# KiCad board proteus.kicad_pcb (continued)
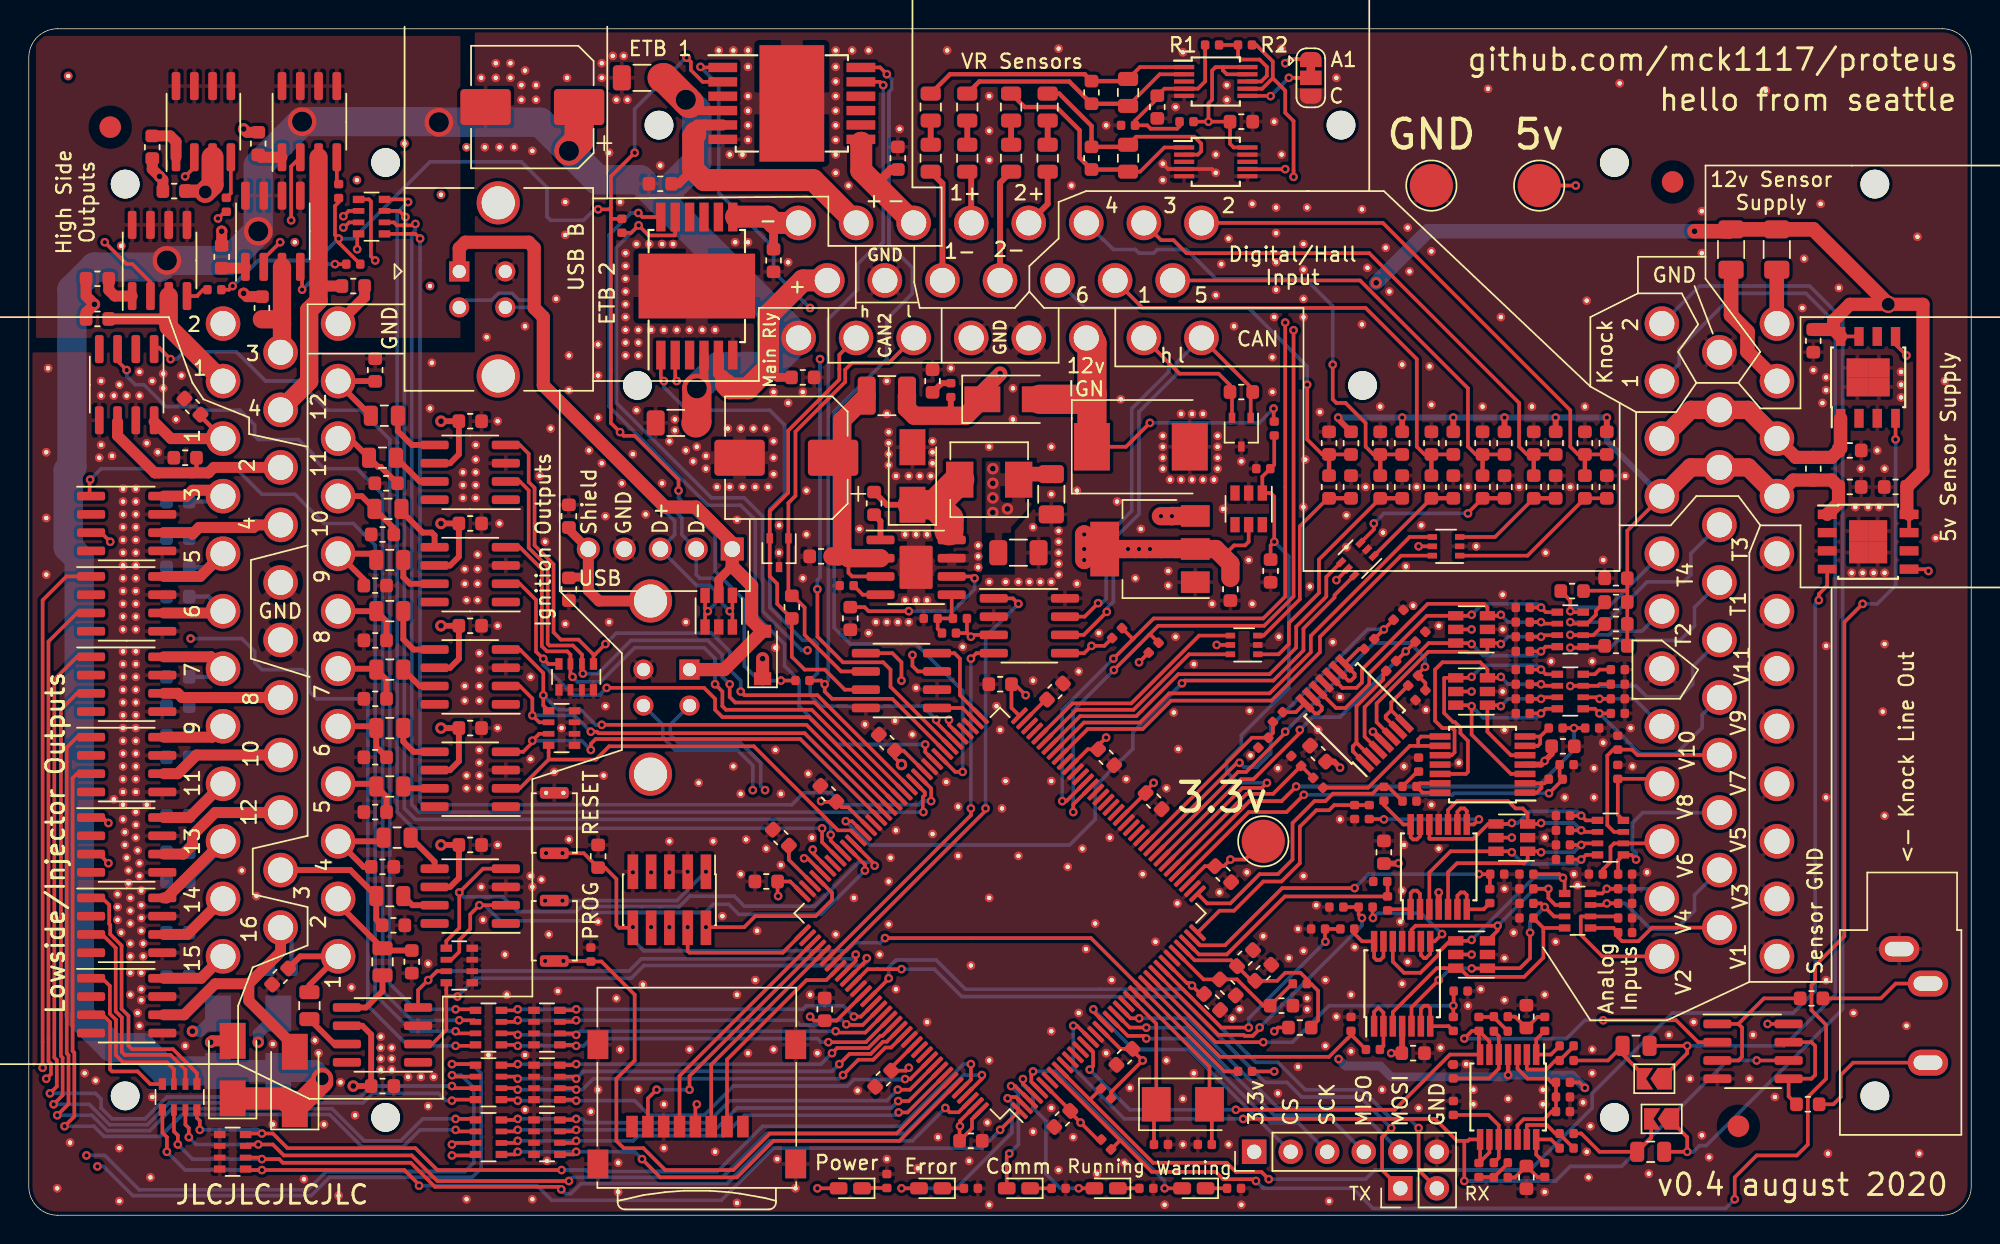
[diagram p0: board, top side]
## Nets (continued)
/mcu/CAN2_TX: U6.1 U1501.74
/mcu/CAN_RX: U904.4 U1501.114
/mcu/CAN_TX: U904.1 U1501.115
/mcu/DIGITAL1: U1202.6 U1501.96
/mcu/DIGITAL2: U1207.6 U1501.64
/mcu/DIGITAL3: U1207.4 U1501.65
/mcu/DIGITAL4: U1208.6 U1501.67
/mcu/DIGITAL5: U1202.4 U1501.66
/mcu/DIGITAL6: U1208.4 U1501.68
/mcu/ETB1_PWM: U1201.12 U1501.81
/mcu/ETB2_PWM: U1501.82 U1601.12
/mcu/HS1: RN1301.4 U1501.101
/mcu/HS2: RN1301.3 U1501.100
/mcu/HS3: RN1301.2 U1501.86
/mcu/HS4: RN1301.1 U1501.85
/mcu/IGN1: RN1601.8 U1501.118 U1602.2
/mcu/IGN2: RN1601.7 U1501.117 U1602.4
/mcu/IGN3: RN1601.6 U1501.99 U1603.2
/mcu/IGN4: RN1601.5 U1501.98 U1603.4
/mcu/IGN5: RN1701.8 U1501.97 U1701.2
/mcu/IGN6: RN1701.7 U1501.93 U1701.4
/mcu/IGN7: RN1701.6 U1501.92 U1702.2
/mcu/IGN8: RN1701.5 U1501.91 U1702.4
/mcu/IGN9: RN1801.8 U1501.90 U1801.2
/mcu/IGN10: RN1801.7 U1501.89 U1801.4
/mcu/IGN11: RN1801.6 U1501.88 U1802.2
/mcu/IGN12: RN1801.5 U1501.87 U1802.4
/mcu/LED1: D1504.2 U1501.2
/mcu/LED2: D1505.2 U1501.3
/mcu/LED3: D1506.2 U1501.4
/mcu/LED4: D1507.2 U1501.5
/mcu/nRESET: C1517.2 J1502.10 R1502.1 SW1501.1 U1501.25
/mcu/SD_CS: J1.2 U1501.116
/mcu/SD_MISO: J1.7 U1501.112
/mcu/SD_MOSI: J1.3 U1501.113
/mcu/SD_SCK: J1.5 U1501.111
/mcu/SWCLK: J1502.4 U1501.109
/mcu/SWDIO: J1502.2 U1501.105
/mcu/UART_RX: J2.2 U1501.122
/mcu/UART_TX: J2.1 U1501.119
/quad_analog3/IN4: R904.1 RN901.4
/quad_analog3/OUT4: R20.1 R24.2
/triggers/VR1_OUT: R1215.2 R1220.1 U1203.7 U1501.58
/triggers/VR2_OUT: R1216.2 U1204.7 U1501.59
/USB_D+: J1501.3 J1503.3 J1504.3 U1501.104 U1502.1 U1502.6
/USB_D-: J1501.2 J1503.2 J1504.2 U1501.103 U1502.3 U1502.4
/USB_SHIELD: C1516.1 J1501.5 J1503.5 J1504.5 R1501.1
/VR1+: J101.5 R1205.2
/VR1-: J101.13 R1208.2
/VR2+: J101.4 R1210.2
/VR2-: J101.12 R1213.2
Net-(C1-Pad1): C1.1 RN701.8 U1.6 U701.3
Net-(C2-Pad1): C2.1 RN701.7 U1.1 U701.5
Net-(C3-Pad1): C3.1 RN701.6 U1.3 U701.10
Net-(C4-Pad1): C4.1 RN701.5 U1.4 U701.12
Net-(C5-Pad1): C5.1 RN801.8 U2.6 U801.3
Net-(C6-Pad1): C6.1 RN801.7 U2.1 U801.5
Net-(C7-Pad1): C7.1 RN801.6 U2.3 U801.10
Net-(C8-Pad1): C8.1 RN801.5 U2.4 U801.12
Net-(C9-Pad1): C9.1 RN901.8 U3.6 U901.3
Net-(C10-Pad1): C10.1 RN901.7 U3.1 U901.5
Net-(C11-Pad1): C11.1 RN901.6 U3.3 U901.10
Net-(C12-Pad1): C12.1 RN901.5 U3.4 U901.12
Net-(C13-Pad1): C13.1 RN1101.8 U4.6 U1101.3
Net-(C14-Pad1): C14.1 RN1101.7 U4.1 U1101.5
Net-(C15-Pad1): C15.1 RN1101.6 U4.3 U1101.10
Net-(C16-Pad1): C16.1 RN1101.5 U4.4 U1101.12
Net-(C18-Pad1): C18.1 J3.R
Net-(C18-Pad2): C18.2 U7.5 U7.7
Net-(C19-Pad1): C19.1 J3.T
Net-(C19-Pad2): C19.2 U7.1 U7.3
Net-(C21-Pad2): C21.2 R42.1 R44.2
Net-(C22-Pad2): C22.2 R43.1 R45.2
Net-(C23-Pad1): C23.1 R44.1 R46.2
Net-(C24-Pad1): C24.1 R45.1 R47.2
Net-(C25-Pad2): C25.2 R46.1 U5.5
Net-(C26-Pad2): C26.2 R47.1 U5.10
Net-(C902-Pad1): C902.1 U903.6
Net-(C904-Pad1): C904.1 U903.1
Net-(C904-Pad2): C904.2 D901.1 L1001.1 U903.8
Net-(C905-Pad2): C905.2 R907.1 R908.1 U903.5
Net-(C1001-Pad1): C1001.1 C1002.1 L1002.2 U903.2 U903.3
Net-(C1006-Pad1): C1006.1 R906.2
Net-(C1205-Pad1): C1205.1 R1202.1 U1202.3
Net-(C1208-Pad1): C1208.1 R1204.1 U1208.3
Net-(C1209-Pad1): C1209.1 R1206.1 R1207.2 U1203.2
Net-(C1209-Pad2): C1209.2 R1207.1 R1209.1 U1203.1
Net-(C1210-Pad1): C1210.1 R1211.1 R1212.2 U1204.2
Net-(C1210-Pad2): C1210.2 R1212.1 R1214.1 U1204.1
Net-(C1212-Pad1): C1212.1 R1217.2 R1218.2 R1219.2 U1203.4
Net-(C1402-Pad1): C1402.1 R1402.1 U1202.1
Net-(C1404-Pad1): C1404.1 R1404.1 U1207.1
Net-(C1406-Pad1): C1406.1 R1406.1 U1207.3
Net-(C1408-Pad1): C1408.1 R1408.1 U1208.1
Net-(C1518-Pad1): C1518.1 U1501.71
Net-(C1519-Pad1): C1519.1 U1501.106
Net-(C1520-Pad1): C27.1 C1520.1 R48.1 U1501.32
Net-(C1521-Pad1): C1521.1 U1501.23 Y1501.1
Net-(C1522-Pad1): C1522.1 U1501.24 Y1501.2
Net-(C1901-Pad1): C1901.1 JP1.2 R1901.2
Net-(C1902-Pad1): C1902.1 JP2.2 R1902.2
Net-(D1501-Pad3): D1501.3
Net-(D1501-Pad4): D1501.4
Net-(D1501-Pad6): D1501.6
Net-(D1502-Pad1): D1502.1 R1508.2
Net-(D1503-Pad2): D1503.2 J1501.1 J1503.1 J1504.1 U1502.5
Net-(D1504-Pad1): D1504.1 R1509.2
Net-(D1505-Pad1): D1505.1 R1510.2
Net-(D1506-Pad1): D1506.1 R1511.2
Net-(D1507-Pad1): D1507.1 R1512.2
Net-(F101-Pad1): F101.1 J103.11
Net-(F102-Pad2): F102.2 J103.12
Net-(J1-Pad1): J1.1
Net-(J1-Pad8): J1.8
Net-(J1502-Pad6): J1502.6
Net-(J1502-Pad7): J1502.7
Net-(J1502-Pad8): J1502.8
Net-(JP1201-Pad2): JP1201.2 U1203.6
Net-(R1-Pad2): R1.2 U701.1 U701.2
Net-(R2-Pad2): R2.2 U701.6 U701.7
Net-(R3-Pad2): R3.2 U701.8 U701.9
Net-(R4-Pad2): R4.2 U701.13 U701.14
Net-(R9-Pad2): R9.2 U801.1 U801.2
Net-(R10-Pad2): R10.2 U801.6 U801.7
Net-(R11-Pad2): R11.2 U801.8 U801.9
Net-(R12-Pad2): R12.2 U801.13 U801.14
Net-(R17-Pad2): R17.2 U901.1 U901.2
Net-(R18-Pad2): R18.2 U901.6 U901.7
Net-(R19-Pad2): R19.2 U901.8 U901.9
Net-(R20-Pad2): R20.2 U901.13 U901.14
Net-(R25-Pad2): R25.2 U1101.1 U1101.2
Net-(R26-Pad2): R26.2 U1101.6 U1101.7
Net-(R27-Pad2): R27.2 U1101.8 U1101.9
Net-(R28-Pad2): R28.2 U1101.13 U1101.14
Net-(R905-Pad1): R905.1 U903.4
Net-(R1105-Pad1): R1105.1 U1102.4
Net-(R1106-Pad1): R1106.1 U1102.1
Net-(R1107-Pad1): R1107.1 U1103.4
Net-(R1108-Pad1): R1108.1 U1103.1
Net-(R1109-Pad1): R1109.1 U1104.4
Net-(R1110-Pad1): R1110.1 U1104.1
Net-(R1111-Pad1): R1111.1 U1105.4
Net-(R1112-Pad1): R1112.1 U1105.1
Net-(R1205-Pad1): R1205.1 R1206.2
Net-(R1208-Pad1): R1208.1 R1209.2
Net-(R1210-Pad1): R1210.1 R1211.2
Net-(R1213-Pad1): R1213.1 R1214.2
Net-(R1219-Pad1): R1219.1 R1220.2 U1203.8
Net-(R1601-Pad2): R1601.2 U1602.7
Net-(R1602-Pad2): R1602.2 U1602.5
Net-(R1603-Pad2): R1603.2 U1603.7
Net-(R1604-Pad2): R1604.2 U1603.5
Net-(R1701-Pad2): R1701.2 U1701.7
Net-(R1702-Pad2): R1702.2 U1701.5
Net-(R1703-Pad2): R1703.2 U1702.7
Net-(R1704-Pad2): R1704.2 U1702.5
Net-(R1801-Pad2): R1801.2 U1801.7
Net-(R1802-Pad2): R1802.2 U1801.5
Net-(R1803-Pad2): R1803.2 U1802.7
Net-(R1804-Pad2): R1804.2 U1802.5
Net-(R1901-Pad1): R1901.1 R1903.2 U5.2
Net-(R1902-Pad1): R1902.1 R1904.2 U5.13
Net-(R1903-Pad1): R42.2 R1903.1 U5.1
Net-(R1904-Pad1): R43.2 R1904.1 U5.14
Net-(RN201-Pad5): RN201.5 U201.1
Net-(RN201-Pad6): RN201.6 U201.3
Net-(RN201-Pad7): RN201.7 U202.1
Net-(RN201-Pad8): RN201.8 U202.3
Net-(RN301-Pad5): RN301.5 U301.1
Net-(RN301-Pad6): RN301.6 U301.3
Net-(RN301-Pad7): RN301.7 U302.1
Net-(RN301-Pad8): RN301.8 U302.3
Net-(RN401-Pad5): RN401.5 U401.1
Net-(RN401-Pad6): RN401.6 U401.3
Net-(RN401-Pad7): RN401.7 U402.1
Net-(RN401-Pad8): RN401.8 U402.3
Net-(RN501-Pad5): RN501.5 U501.1
Net-(RN501-Pad6): RN501.6 U501.3
Net-(RN501-Pad7): RN501.7 U502.1
Net-(RN501-Pad8): RN501.8 U502.3
Net-(RN1301-Pad5): RN1301.5 U1102.2
Net-(RN1301-Pad6): RN1301.6 U1103.2
Net-(RN1301-Pad7): RN1301.7 U1104.2
Net-(RN1301-Pad8): RN1301.8 U1105.2
Net-(U201-Pad2): U201.2
Net-(U201-Pad4): U201.4
Net-(U202-Pad2): U202.2
Net-(U202-Pad4): U202.4
Net-(U301-Pad2): U301.2
Net-(U301-Pad4): U301.4
Net-(U302-Pad2): U302.2
Net-(U302-Pad4): U302.4
Net-(U401-Pad2): U401.2
Net-(U401-Pad4): U401.4
Net-(U402-Pad2): U402.2
Net-(U402-Pad4): U402.4
Net-(U501-Pad2): U501.2
Net-(U501-Pad4): U501.4
Net-(U502-Pad2): U502.2
Net-(U502-Pad4): U502.4
Net-(U1004-Pad2): U1004.2
Net-(U1004-Pad6): U1004.6
Net-(U1005-Pad2): U1005.2
Net-(U1005-Pad6): U1005.6
Net-(U1201-Pad3): U1201.3
Net-(U1201-Pad8): U1201.8
Net-(U1201-Pad9): U1201.9
Net-(U1201-Pad10): U1201.10
Net-(U1203-Pad3): U1203.3
Net-(U1204-Pad3): U1204.3
Net-(U1204-Pad8): U1204.8
Net-(U1501-Pad7): U1501.7
Net-(U1501-Pad10): U1501.10
Net-(U1501-Pad11): U1501.11
Net-(U1501-Pad12): U1501.12
Net-(U1501-Pad13): U1501.13
Net-(U1501-Pad22): U1501.22
Net-(U1501-Pad49): U1501.49
Net-(U1501-Pad50): U1501.50
Net-(U1501-Pad53): U1501.53
Net-(U1501-Pad54): U1501.54
Net-(U1501-Pad55): U1501.55
Net-(U1501-Pad56): U1501.56
Net-(U1501-Pad57): U1501.57
Net-(U1501-Pad60): U1501.60
Net-(U1501-Pad63): U1501.63
Net-(U1501-Pad69): U1501.69
Net-(U1501-Pad70): U1501.70
Net-(U1501-Pad75): U1501.75
Net-(U1501-Pad76): U1501.76
Net-(U1501-Pad102): U1501.102
Net-(U1501-Pad110): U1501.110
Net-(U1501-Pad132): U1501.132
Net-(U1501-Pad133): U1501.133
Net-(U1601-Pad3): U1601.3
Net-(U1601-Pad8): U1601.8
Net-(U1601-Pad9): U1601.9
Net-(U1601-Pad10): U1601.10
Net-(U1602-Pad1): U1602.1
Net-(U1602-Pad8): U1602.8
Net-(U1603-Pad1): U1603.1
Net-(U1603-Pad8): U1603.8
Net-(U1701-Pad1): U1701.1
Net-(U1701-Pad8): U1701.8
Net-(U1702-Pad1): U1702.1
Net-(U1702-Pad8): U1702.8
Net-(U1801-Pad1): U1801.1
Net-(U1801-Pad8): U1801.8
Net-(U1802-Pad1): U1802.1
Net-(U1802-Pad8): U1802.8

## Via types
v1: diameter 0.8, hole 0.4, Top to Bottom, 24 vias
v2: diameter 0.599, hole 0.3, Top to Bottom, 275 vias
v3: diameter 0.6, hole 0.3, Top to Bottom, 75 vias
v4: diameter 2, hole 1.4, Top to Bottom, 7 vias
v5: diameter 1.2, hole 0.9, Top to Bottom, 3 vias

## Routing (per net, layer and track width the routed paths; a pad name or vN(x,y) marks a point on that pad's centre or on a via; arc(x,y) is an arc through that point)
+3V3: length 239
  Top w0.254: v3(55.06,28.8) 55.11,28.75 C1508.2 56.51,28.37 56.95,28.37 U1501.95 ; R1301.2 40.48,69.29 40.46,69.31 ; U6.5 60.02,39.08 60.65,38.45 v2(60.65,37.18) ; U1501.108 52.92,23.21 C1513.2 52.04,22.23 v2(52.08,22.19) ; v2(46.43,7.71) 46.33,7.61 J1.4 ; U1501.144 65.56,6.68 65.56,6.04 C1511.2 64.69,6.16 v2(64.72,6.19) 64.72,6.55 U1501.143 ; D1501.5 84.78,46.83 84.53,46.58 83.77,46.58 83,45.81 82.5,46.32 ; 74.53,5.21 R1007.2 74.28,5.26 v3(73.1,6.44) 72.38,7.16 C1514.2 72.38,7.28 U1501.6 ; v2(69.29,36.16) 68.53,36.92 C1503.2 68.3,35.28 U1501.72 ; v2(45.16,50.39) 45.16,51.15 42.11,54.2 41.35,54.2 v2(41.09,54.45) 40.46,55.09 40.46,69.31 ; v2(35.89,21.87) 35.89,21.88 SW1502.2 37.09,21.88 v2(37.09,21.87) ; U1501.30 80.49,16.14 80.67,16.14 v3(80.84,15.97) 81.43,15.38 C1505.2 ; 61.51,11.87 U1501.131 59.94,10.26 C1512.2 60.95,10.05 v2(61.16,10.25) ; U1201.2 46.83,78.81 46.02,79.63 46.02,80.19 v3(45.72,80.49) ; U1501.17 75.87,11.57 C1515.2 76.7,11.48 v3(77.42,10.76) 75.22,8.56 R1006.2 ; 40.46,69.31 40.46,70.07 ; v2(13.15,69.31) 13.62,69.78 R1107.2 ; U1501.39 81.73,24.27 C1506.2 83.05,24.27 v3(83.51,24.73) 84.53,24.73 J108.1 ; FB1501.1 86.81,13.05 v3(86.56,12.79) ; U1501.84 60.79,32.3 C1507.2 60.19,31.8 v1(60.65,31.34) ; R40.2 107.77,9.24 v3(108.15,8.86) ; v2(54.3,13.81) 54.58,13.53 C1510.2 56.14,13.53 U1501.121 ; R1111.2 21.54,70.43 21.28,70.18 21.28,68.17 v3(21.54,67.91) 21.54,67.63 R1109.2 ; v3(45.03,58.01) 44.93,58.11 U1601.2 ; R1105.2 13.92,64.36 v3(14.17,64.61) ; 40.46,70.07 40.33,69.94 v3(39.57,69.94) ; 40.46,70.07 40.46,72.23 v3(42.11,73.88) ; R1001.2 v2(52.27,37.18) ; D1502.2 v2(54.81,1.87) ; R1502.2 v3(86.56,10) ; U1501.52 77.62,29.35 C1509.2 77.62,29.51 v3(78.18,30.07) ; 47.06,23.84 v2(47.06,23.89) ; R1215.1 v2(77.16,38.45) ; U1501.62 73.6,32.4 C1504.2 74.32,32.66 v3(74.88,33.22) ; R1216.1 74.75,39.59 v3(73.86,39.59) 73.35,39.08 U904.5
  Top w0.305: U5.4 v3(102.82,9.75) ; 108.05,8.75 v3(108.15,8.86)
  Top w1.27: C903.1 83.51,45.31 82.5,46.32 U902.2 U902.2 74.37,46.32 v2(73.35,47.34) v2(73.35,46.32) v2(73.35,45.56)
  In2.Cu w0.254: v2(13.15,69.31) 13.15,69.65 13.68,70.18 19.27,70.18 v3(21.54,67.91) ; v2(41.09,54.45) 42.87,54.45 45.03,56.61 v3(45.03,58.01)
  Bottom w0.254: v2(37.09,21.87) 45.05,21.87 v2(47.06,23.89) ; v3(45.72,80.49) 45.67,80.49 42.11,76.93 v3(42.11,73.88) ; v3(14.17,64.61) 15.95,66.39 20.01,66.39 v3(21.54,67.91) 22.55,67.91 27.89,73.25 34.24,73.25 36.01,71.47 36.01,69.44 36.27,69.18 38.55,69.18 39.32,69.94 v3(39.57,69.94) ; v2(52.27,37.18) 50.75,37.18 49.73,38.19 49.73,42.77 47.7,44.8 47.7,47.34 45.16,49.88 v2(45.16,50.39)
  Bottom w0.61: v3(108.15,8.86) 107.26,9.75 v3(102.82,9.75) 102.69,9.62 94.69,9.62 93.93,10.38 91.52,10.38 v3(91.03,10.86)
  vias: v2(76.4,46.32) v2(77.16,46.32) v2(77.92,46.32)
+5V: length 86.7
  Top w0.254: U4.5 v2(100.28,40.73) ; JP1201.1 87.61,80.39 v2(87.32,80.1) ; C905.1 65.18,40.48 65.2,40.5 ; U3.5 v2(100.28,36.42) ; 82.99,79.83 82.48,79.83 82.24,79.6 82.24,77.56 81.99,77.31 v2(81.99,76.04) ; 82.99,79.83 82.99,79.61 83.26,79.34 ; 82.99,79.83 U1203.10 ; v3(130.5,59.78) 129.74,60.55 U1005.5 ; U904.3 65.61,40.35 v2(65.48,40.23) 65.2,40.5 ; U1004.5 131.9,44.92 v3(132.03,44.8) ; U1207.5 v2(96.59,46.51) ; U2.5 v2(103.07,26.26) ; 65.2,40.5 R908.2 ; R1217.1 v2(81.99,76.04) ; v2(81.99,76.04) C1211.1 83.49,74.5 83.74,74.25 U1204.10 ; U1202.5 v2(90.88,44.16) ; J107.1 v2(107.52,71.59) ; v2(61.41,38.96) 61.41,38.19 61.8,37.81 63.13,37.81 ; U1.5 v2(100.28,18.13) ; U1203.9 83.27,79.33 ; U1208.5 v2(82.56,39.65) ; U7.8 v2(120.85,13.3)
  Top w0.406: 28.2,45.18 29.28,45.18 29.89,45.79 C1801.2 v1(28.65,48.1) ; U701.4 95.45,11.3 C701.1 v2(94.69,11.27) ; U801.4 v2(97.99,22.45) ; U1603.6 29.28,22.83 29.89,23.44 C1607.2 v1(28.65,25.75) ; v1(28.65,33.88) C1701.2 29.89,31.57 29.28,30.95 U1701.6 ; C801.1 95.17,24.45 v2(95.2,24.48) ; U1802.6 29.28,52.29 29.89,52.9 C1804.2 v1(28.65,55.21) ; v1(28.65,40.99) C1704.2 29.89,38.68 29.28,38.07 U1702.6 ; C901.1 105.84,32.07 v2(105.36,31.59) 105.1,31.34 U901.4 ; U1602.6 23.18,13.18 23.8,12.56 C1604.2 v1(22.55,8.98) ; v2(91.13,31.12) 90.72,31.54 C1101.1 ; U1101.4 v2(93.42,33.62)
  Top w0.914: D1503.1 v1(51,38.7)
  Top w1.016: C906.1 69.18,51.53 L1001.2
  Top w1.27: v2(78.69,48.61) v2(79.45,48.61) 79.46,48.62 U902.3
  vias: v1(67,51.91) v1(67,50.89) v1(67,49.88) v1(67,48.86) v1(68.02,49.12)
/5V_SENSOR_1: length 63.3
  Top w0.254: 111.1,43.43 R1103.1 R1102.1 R1101.1 ; 111.1,43.43 108.07,43.43 R1104.1 ; 111.1,43.43 C1409.2 111.1,47.6 J103.32
  Top w0.406: R1403.1 v2(109.67,55.47) ; R1201.1 v2(102.56,55.47) ; R1401.1 v2(99.01,55.47) ; v3(91,55.47) 91,55.36 R1203.1 ; R1407.1 v2(95.45,55.47) ; R1405.1 v2(106.12,55.47)
  Top w0.914: U1004.1 125.78,49.52 C1016.1 125.29,51.12 R1005.2 122.62,51.12 J103.9
  Top w1.27: J103.32 115.5,52 J103.21 119.5,52 J103.9
  Bottom w0.406: J103.32 109.67,53.83 v2(109.67,55.47) v2(106.12,55.47) v2(102.56,55.47) v2(99.01,55.47) v2(95.45,55.47) v3(91,55.47)
/5V_SENSOR_2: length 17
  Top w0.914: U1005.1 125.93,53.33 C1018.1 125.29,52.7 R1005.1 122.8,52.7 J103.10
  Top w1.27: J103.10 119.5,56 J103.22 115.5,56 J103.33
/12V_MR: length 171.4
  Top w0.406: 53.42,61.08 J101.23
  Top w0.61: U1601.4 46.93,58 v4(46.43,57.5) ; U1201.4 46.69,76.81
  Top w1.524: v5(20.39,9.49) 20.39,9.27 D102.1 ; D104.1 17.73,8.13 D102.1 ; D102.1 18.49,7.58
  Top w2.032: v4(46.43,57.5) 46.43,55.15 C1601.2 ; v4(37.54,74.01) 38.25,74.72 C17.1 ; C1201.2 44.14,79.09 v4(45.67,77.56) 45.92,77.31
  Bottom w1.524: D103.1 D101.1 19.85,10.03 v5(20.39,9.49)
  Bottom w2.032: 2.74,51.78 2.74,46.45 3.5,45.69 3.5,13.94 5.79,11.65 7.82,11.65 9.44,10.03 D103.1 ; 2.74,51.78 2.99,52.04 ; 2.74,51.78 2.99,52.04 ; 43.84,70.66 42.5,72 39.5,72 39.5,72.05 v4(37.54,74.01) 35.55,76 v4(28.5,76) 28.46,76.04 v4(19,76.04) 15.95,72.99 v4(15.95,68.42) 13.92,66.39 v4(9.6,66.39) 9.15,65.94 4.57,65.94 2.99,64.36 2.99,52.04 ; 43.84,70.66 J101.23 51.52,59.02 47.95,59.02 v4(46.43,57.5) ; 43.84,70.66 46.43,73.25 46.43,76.8 v4(45.67,77.56)
/12V_PROT: length 105.6
  Top w0.254: U1004.7 U1004.8 ; U1005.7 U1005.8
  Top w0.406: R906.1 64.08,55.72 63.95,55.59
  Top w0.914: U1004.8 130.53,48.89 C1015.1 131.65,51.76 131.65,63.34 v5(129.23,63.34) 126.56,63.34 125.45,62.22 125.45,61.59 ; 125.45,61.59 U1005.8 ; 125.45,61.59 C1017.1
  Top w1.016: v1(115.77,68.42) 118.18,68.42 F101.2 F102.1 124.02,68.55 v5(129.23,63.34) ; v1(67.51,58.51) 66.12,57.13 66.12,56.74
  Top w1.27: D903.1 65.13,55.59 61.54,55.59 61.03,56.1 61.03,56.99 L1002.1
  In2.Cu w1.016: v1(67.51,58.51) 87.32,58.51 v1(93.64,64.84)
  Bottom w1.016: v1(115.77,68.42) 97.23,68.42 v1(93.64,64.84)
/12V_RAW: length 26.5
  Top w0.254: v3(86.52,56.09) 86.52,55.23 R1503.1 ; v3(77.92,55.09) 76.26,53.43 D1001.1
  Top w1.524: D903.2 70.59,56.74
  Top w2.032: 73.89,57.15 73.89,60.61 J101.18 ; 73.89,57.15 73.89,57.07 73.55,56.74 D903.2 ; 73.89,57.15 D1001.1
  Bottom w0.254: v3(77.92,55.09) 85.52,55.09 v3(86.52,56.09)
/AV1: length 9.9
  Top w0.254: RN701.1 110.14,19.98 R701.1 110.46,19.33 110.74,19.05 111.87,19.05 112.82,20 J103.13
/AV2: length 10.2
  Top w0.254: R702.1 110.35,20.78 RN701.2 107.89,20.78 107.86,20.75 107.86,19.5 109.37,18 J103.24
/AV3: length 12.9
  Top w0.254: R703.1 v2(109.67,21.68) 109.57,21.58 RN701.3
  Bottom w0.254: v2(109.67,21.68) 110.94,21.68 112.72,19.91 114.5,19.91 115.77,21.18 115.77,22.27 J103.14
/AV4: length 6.2
  Top w0.254: R704.1 v2(109.67,22.7) 109.35,22.38 RN701.4
  Bottom w0.254: J103.25 112.8,22.7 v2(109.67,22.7)
/AV5: length 11.5
  Top w0.254: R801.1 110.46,24.69 RN801.1 111.38,25.06 v2(111.71,24.73)
  Bottom w0.254: v2(111.71,24.73) 111.71,25.16 111.45,25.41 111.45,27.27 112.18,28 J103.15
/AV6: length 5.8
  Top w0.254: R802.1 109.4,24.04 109.93,24.57 109.93,25.61 110.17,25.86 RN801.2 113.36,25.86 J103.26
/AV7: length 14.3
  Top w0.254: RN801.3 110.17,26.66 109.71,27.12 109.71,31.97 110.12,32.38 R803.1 111.43,32.38 111.8,32 J103.16
/AV8: length 6.3
  Top w0.254: RN801.4 110.44,27.85 R804.1 113.16,30.34 J103.27
/AV9: length 13.7
  Top w0.254: R901.1 v2(109.17,34.89) 108.84,35.22 RN901.1
  Bottom w0.254: v2(109.17,34.89) 111.96,32.1 114.5,32.1 116.3,33.9 116.3,34.8 J103.17
/AV10: length 7.1
  Top w0.254: R902.1 v2(109.17,35.91) 109.06,36.02 RN901.2
  Bottom w0.254: J103.28 111.59,35.91 v2(109.17,35.91)
/AV11: length 16.1
  Top w0.254: R903.1 109.17,36.92 109.06,36.82 RN901.3 107.15,36.82 v2(107.13,36.8)
  Bottom w0.254: J103.18 115.64,38.14 115.64,36.92 114.75,36.03 112.47,36.03 111.71,36.8 v2(107.13,36.8) 107.26,36.92
/mcu/5V_SENSOR_1_PG: length 92.4
  Top w0.254: v2(124.41,42.77) 124.41,43.19 124.99,43.77 U1004.4 ; U1501.9 73.71,8.07 ; 73.71,8.07 73.79,8.07 R1006.1 ; 73.71,8.07 78.13,3.65 83.26,3.65 83.89,3.01 85.67,3.01 v2(86.18,2.51)
  Bottom w0.254: v2(124.41,42.77) 124.15,42.51 124.15,15.59 122.63,14.06 114.25,14.06 108.66,8.48 108.66,7.46 104.34,3.14 93.55,3.14 92.91,2.51 v2(86.18,2.51)
/mcu/5V_SENSOR_2_PG: length 114.3
  Top w0.254: v2(118.56,1.11) 118.56,2.63 120.09,4.16 122.88,4.16 123.64,4.92 123.64,8.22 124.91,9.49 124.91,13.24 123.9,14.25 123.9,16 124.15,16.25 124.15,17.37 126.18,19.4 126.18,41.24 v3(127.45,42.51) ; U1501.8 71.33,9.74 75.89,5.17 ; v2(85.29,2.38) 85.16,2.51 83,2.51 82.5,3.01 78.05,3.01 75.89,5.17 ; R1007.1 75.82,5.17 75.89,5.17 ; U1005.4 v3(129.74,53.94)
  Bottom w0.254: v3(129.74,53.94) 129.74,43.78 128.47,42.51 v3(127.45,42.51) ; v2(85.29,2.38) 85.8,1.87 92.02,1.87 93.42,0.47 117.93,0.47 v2(118.56,1.11)
/mcu/12V_DIVIDED: length 40.3
  Top w0.254: v2(86.05,30.07) 85.7,29.71 84.34,29.71 U1501.43 ; R1503.2 86.56,52.19 R1504.1 85.73,51.36 D1501.1 86.31,50.22 86.56,49.97 v2(86.56,46.83) 86.31,46.58 C1523.1
  Bottom w0.254: v2(86.05,30.07) 84.02,30.07 83.26,30.83 83.26,31.59 84.27,32.61 84.27,33.37 87.58,36.67 87.58,45.81 v2(86.56,46.83)
/mcu/AV1: length 19
  Top w0.254: U1501.26 82.79,11.02 90.37,11.02 91.64,12.29 91.66,12.29 91.89,12.52 R5.2 91.89,12.56 R1.1
/mcu/AV2: length 25.7
  Top w0.254: v2(85.8,12.03) 82.48,12.03 U1501.27 ; R6.2 99.03,14.59 v2(99.01,14.57) R2.1
  Bottom w0.254: v2(85.8,12.03) 87.83,12.03 90.37,14.57 v2(99.01,14.57)
/mcu/AV3: length 21.7
  Top w0.254: v2(85.54,13.05) 85.54,12.95 85.06,12.47 84.5,12.47 84.43,12.54 82.68,12.54 U1501.28 ; R7.2 R3.1 92.42,20.9 v2(92.66,20.67)
  Bottom w0.254: v2(92.66,20.67) 92.66,20.16 v2(85.54,13.05)
/mcu/AV4: length 17.9
  Top w0.254: U1501.29 82.88,13.05 v2(84.78,13.05) ; R4.1 R8.2 ; R8.2 90.09,19.93 ; R8.2 90.09,19.04 v3(90.12,19.02)
  Bottom w0.254: v2(84.78,13.05) 84.78,13.68 v3(90.12,19.02)
/mcu/AV5: length 17
  Top w0.254: U1501.34 81.33,18.13 83.26,18.13 87.3,22.17 R9.1 94.43,23.19 R13.2
/mcu/AV6: length 24
  Top w0.254: v2(100.78,23.72) R14.2 101.55,23.69 R10.1 ; U1501.35 81.4,18.77 83.14,18.77 87.12,22.75 v2(92.15,22.75)
  Bottom w0.254: v2(92.15,22.75) 93.12,23.72 v2(100.78,23.72)
/mcu/AV7: length 17.1
  Top w0.254: R11.1 R15.2 90.73,28.52 90.37,28.16 89.48,28.16 88.34,27.02 88.34,24.48 87.07,23.21 85.8,23.21 83.77,21.18 82.76,21.18 U1501.36
/mcu/AV8: length 19.8
  Top w0.254: U1501.37 81.9,21.68 83.51,21.68 85.54,23.72 86.81,23.72 87.83,24.73 87.83,27.27 89.35,28.8 90.12,28.8 90.64,29.32 93.39,29.32 93.86,29.79 R12.1 94.48,29.79 R16.2
/mcu/AV9: length 30.4
  Top w0.254: R21.2 106.39,30.53 R17.1 106.6,30.29 v2(105.66,29.34) ; U1501.40 84.79,28.03 87.42,28.03 v2(88.62,29.23)
  Bottom w0.254: v2(88.62,29.23) 98.93,29.23 99.04,29.34 v2(105.66,29.34)
/mcu/AV10: length 34.2
  Top w0.254: R22.2 v2(107.39,33.88) R18.1 ; v2(88.08,29.81) 87.07,28.8 84.84,28.8 U1501.41
  Bottom w0.254: v2(88.08,29.81) 104.85,29.81 107.39,32.35 v2(107.39,33.88)
/mcu/AV11: length 13.1
  Top w0.254: R19.1 R23.2 86.48,29.3 84.64,29.3 U1501.42
/mcu/VDDA: length 14.4
  Top w0.254: U1501.33 81.03,17.73 83.56,17.73 C1501.1 84.99,16.3 C1502.1 86.77,16.3 87.32,16.86 88.38,16.86 88.82,16.42 R48.2 89.12,16.1 89.61,15.61 89.61,13.56 89.1,13.05 FB1501.2
  Top w0.406: 84.18,17.11 C1501.1
GND: length 16.9
  Top w0.254: J1502.5 v2(44.52,23.84) ; J1502.9 v2(41.98,23.84) ; 45.79,23.84 v2(45.79,23.89) ; NOREF#364.1 79.19,72.75 U1204.4 82.23,72.75 NOREF#589.1
  Top w0.61: C25.1 98.91,10.48
  Top w0.762: R1108.2 8.58,72.74 v1(9.09,72.23) 9.32,72 C1302.2 ; C1301.2 3.98,62.76 v1(4.56,63.34) 3.98,63.92 R1106.2 ; R1110.2 v1(13.41,68.42) ; R1112.2 15.16,75.3 v1(14.93,75.53) ; v1(14.93,64.1) 15.16,63.87 C1303.2 ; J102.24 23.34,63.84 C1304.2
/AT1: length 15.4
  Top w0.254: R1101.2 109.46,39.53 RN1101.1 107.96,39.46 v2(107.13,39.46)
  Bottom w0.254: v2(107.13,39.46) 109.93,39.46 110.44,39.97 114.75,39.97 115.77,40.99 115.77,42.27 J103.19
/AT2: length 9.8
  Top w0.254: R1102.2 108.74,40.33 RN1101.2 107.15,40.33 v2(107.13,40.35)
  Bottom w0.254: J103.30 112.11,40.61 110.06,40.61 109.8,40.35 v2(107.13,40.35)
/AT3: length 17.2
  Top w0.254: v2(107.13,41.24) 107.24,41.13 RN1101.3 108.3,41.13 108.91,41.75 108.91,42.03 R1103.2
  Bottom w0.254: J103.20 115.52,46.02 115.52,44.54 115.01,44.04 112.47,44.04 109.67,41.24 v2(107.13,41.24)
/AT4: length 10.6
  Top w0.254: R1104.2 107.13,42.74 v2(107.13,42) 107.2,41.93 RN1101.4
  Bottom w0.254: J103.31 109.76,42.26 107.39,42.26 v2(107.13,42)
/CAN2+: length 31.6
  Top w0.254: 56.33,58.87 56.33,59.83 J101.22 57.6,60.9 ; 56.33,58.87 56.33,58.77 ; 56.33,58.87 56.33,58.11 52.78,54.56 52.78,50.24 51.49,48.95 D2.2 51.49,44.43 52.02,43.91 52.02,42.51 R33.1 53.03,38.83 53.92,37.94 55.32,37.94 56.72,36.54 U6.7
/CAN2-: length 32.6
  Top w0.254: J101.21 59.78,59.28 57.22,59.28 56.74,58.79 56.74,57.94 53.29,54.49 53.29,50.03 52.79,49.53 D2.1 52.79,43.31 R33.2 53.11,43.07 53.92,42.26 53.92,40.35 56.46,37.81 58.18,37.81
  Top w0.406: 62.48,61 J101.21
/CAN+: length 34.5
  Top w0.254: D1.2 83.62,57.11 R1004.1 83.49,57.72 82.69,58.51 79.99,58.51 J101.17 76.91,60.41 ; U904.7 73.38,41.62 v2(74.32,42.56)
  Bottom w0.254: J101.17 79.25,59.25 79.25,58.67 76.65,56.08 76.65,48.97 74.88,47.19 74.88,42.87 74.56,42.56 v2(74.32,42.56)
/CAN-: length 32.4
  Top w0.254: D1.1 84.92,57.11 R1004.2 85.06,57.44 J101.16 ; U904.6 73.32,40.35 v2(74.92,41.96)
  Bottom w0.254: v2(74.92,41.96) 74.92,42.2 75.38,42.66 75.38,46.98 77.16,48.76 77.16,55.87 79.75,58.46 79.75,59.25 J101.16
/DIGITAL_1: length 33.6
  Top w0.254: R1401.2 C1401.1 97.01,52.9 96.47,53.44 96.47,59.53 92.91,63.09 77.41,63.09 J101.10
  Top w0.305: R1402.2 C1401.1
/DIGITAL_2: length 37.8
  Top w0.254: R1403.2 C1403.1 107.67,52.9 107.13,53.44 107.13,55.97 94.11,69 J101.1
  Top w0.305: C1403.1 R1404.2
/DIGITAL_3: length 38.5
  Top w0.254: R1405.2 C1405.1 104.12,52.9 103.58,53.44 103.58,56.48 93.16,66.9 80.46,66.9 79.56,67.8 78.7,67.8 J101.2
  Top w0.305: R1406.2 C1405.1
/DIGITAL_4: length 35.1
  Top w0.254: R1407.2 C1407.1 93.45,52.9 92.91,53.44 92.91,55.09 91.51,56.48 90.88,56.48 90.62,56.74 v3(90.62,59.15)
  Top w0.305: C1407.1 R1408.2
  Bottom w0.254: v3(90.62,59.15) 90.62,63.21 88.72,65.12 82.5,65.12 80.46,67.15 78.43,67.15 78.18,66.9 77.16,66.9 76.91,67.15 75.38,67.15 74.73,67.8 74.7,67.8 J101.3
/DIGITAL_5: length 31.9
  Top w0.254: R1201.2 C1204.1 100.56,52.9 100.02,53.44 100.02,57.5 92.52,65 J101.9
  Top w0.305: C1204.1 R1202.2
/DIGITAL_6: length 29.9
  Top w0.254: v2(88.85,57.75) 88.85,53.95 89.89,52.9 C1207.1 R1203.2
  Top w0.305: R1204.2 C1207.1
  Bottom w0.254: v2(88.85,57.75) 88.85,59.02 84.78,63.09 73.41,63.09 J101.11
/ETB1+: length 19.2
  Top w0.61: C1202.2 45.16,71.72 46.17,72.74
  Top w0.762: U1201.5 46.45,75.81
  Top w1.524: J101.7 54.52,71.98 46.94,71.98 46.17,72.74 46.17,75.02 46.32,75.17 46.32,75.28
/ETB1-: length 9.3
  Top w0.61: 59.21,71.29 59.21,72 59.92,72.71 C1203.1
  Top w1.524: J101.6 57.86,72.64 57.86,74.57 57.83,74.57
/etb1/DIR: length 58.7
  Top w0.254: U1201.1 46.72,79.81 v3(46.68,79.85) ; 63.7,32.93 63.73,32.93 64.03,32.64 U1501.79 59.89,36.74 59.89,37.94 59.38,38.45 56.59,38.45 54.81,40.23 v2(54.81,43.53)
  In2.Cu w0.254: v3(54.3,63.09) 55.57,61.82 55.57,60.11 v3(54.99,59.53)
  Bottom w0.254: v2(54.81,43.53) 54.81,44.18 54.99,44.36 v3(54.99,59.53) ; v3(46.68,79.85) 47.95,78.58 47.95,71.09 51.76,67.28 51.76,65.63 v3(54.3,63.09)
/etb1/DIS: length 56.9
  Top w0.254: R1001.1 55.06,37.18 v2(55.32,36.92) 55.32,36.42 55.83,35.91 60.02,35.91 U1501.80 ; U1201.11 59.15,78.81 v3(59.38,78.58)
  Bottom w0.254: v2(55.32,36.92) 55.57,37.18 55.57,62.32 57.6,64.36 57.6,66.13 58.37,66.9 58.62,66.9 59.38,67.66 v3(59.38,78.58)
